# KiCad board RASRF2400WBMC.kicad_pcb (continued)
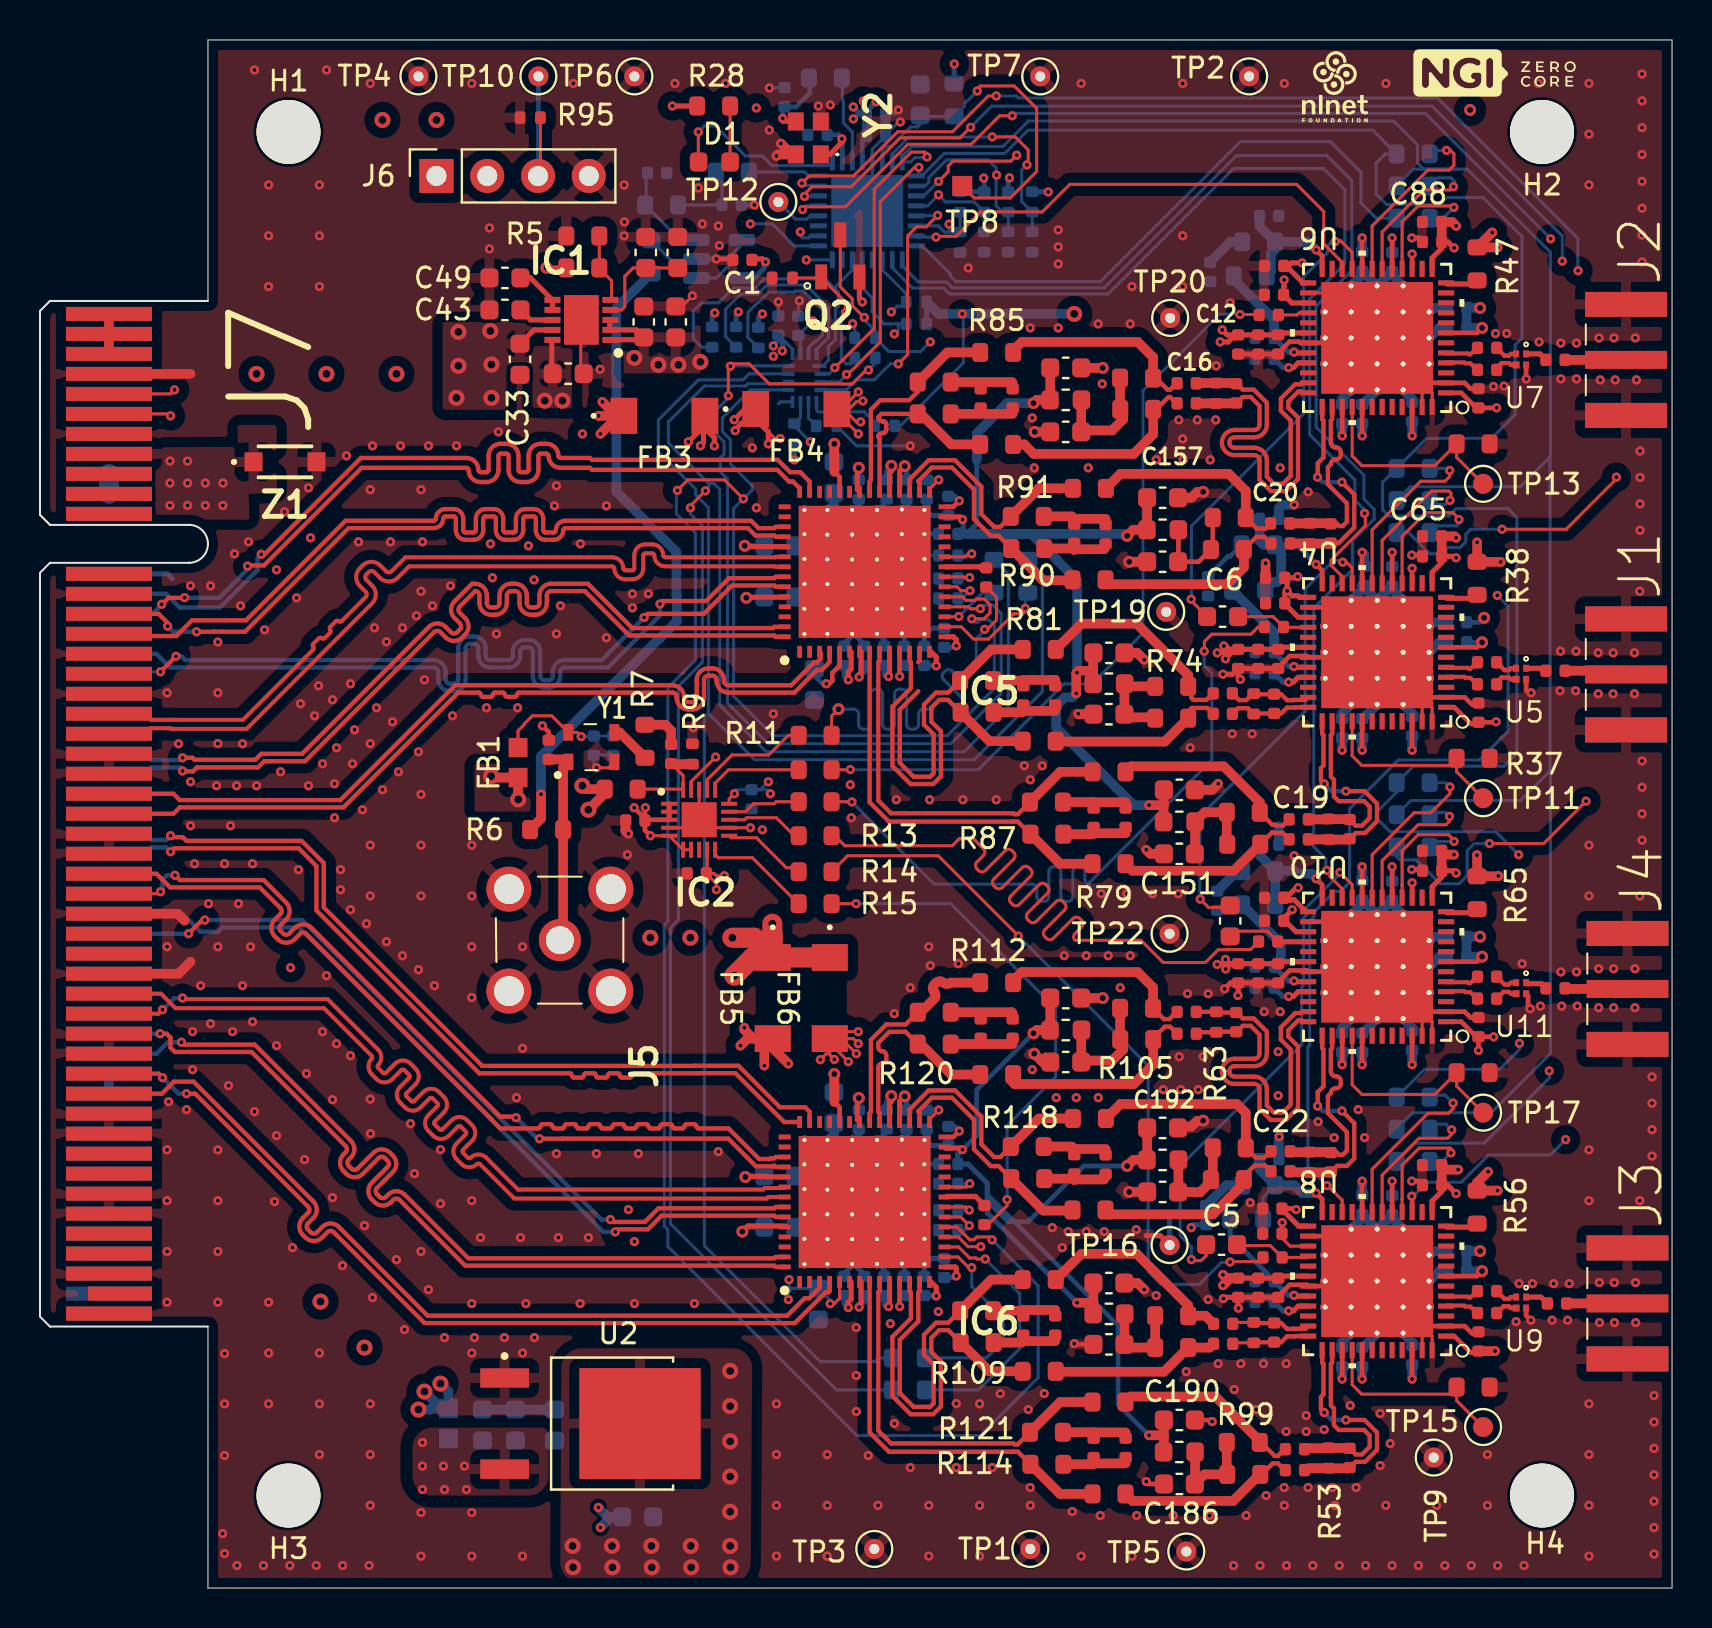
[diagram p0: board, top side]
## Routing (per net, layer and track width the routed paths; a pad name or vN(x,y) marks a point on that pad's centre or on a via; arc(x,y) is an arc through that point) (continued)
/ADC_1/VCM_ADC: length 49.9
  Top w0.254: v1(46.14,53.44) 46.01,53.58 45.32,53.58
  Top w0.483: 56.19,39.16 56.21,39.17 C155.1 ; 56.19,39.16 56.2,39.15 L1.2 ; 56.19,39.16 v1(55.47,39.16) ; 52.68,45.88 52.68,46.76 C156.1 ; 52.68,45.88 51.96,45.88 v1(51.87,45.78) 51.83,45.75 v1(51.83,44.74) ; 52.68,45.88 L2.2 ; C158.1 50.53,59.44 L4.2 49.85,59.42 v2(49.69,59.26) ; C157.1 55.38,52.94 L3.2 54.68,52.93 v2(54.38,52.62)
  Bottom w0.254: 46.85,56.42 46.85,53.22 46.36,52.72 C168.1 45.93,52.75 45.94,52.75 46.18,52.98 46.18,53.41 v1(46.14,53.44)
  Bottom w0.483: v2(49.69,59.26) 48.37,59.26 46.85,57.75 46.85,56.42 ; v1(55.47,39.16) 54.7,39.16 50.83,43.03 50.83,44.12 51.25,44.54 51.63,44.54 v1(51.83,44.74) ; 46.59,52.72 54.28,52.72 v2(54.38,52.62) ; 46.59,52.72 C168.1 ; 46.59,52.72 49.57,52.72 50.89,51.41 50.89,51.39 51.87,50.41 v1(51.87,45.78)
/ADC_2/CLKP_ADC: length 2.1
  Top w0.254: C32.2 46.79,19.59 45.35,19.59 45.32,19.56
/ADC_2/IN_A_N: length 9.1
  Top w0.216: 61.11,5.68 61.66,6.24 61.92,6.24 62.26,5.89 C27.2
  Top w0.483: 61.11,5.68 61,5.68 59.68,4.36 54.65,4.36 R106.2
/ADC_2/IN_A_P: length 9.5
  Top w0.216: C21.1 62.26,6.94 61.92,6.6 61.76,6.6 61.08,7.28
  Top w0.483: 61.08,7.28 58.79,9.58 54.57,9.58 R107.2
/ADC_2/IN_B_N: length 10.2
  Top w0.483: R108.2 52.1,16.72 54.85,16.72 57.43,14.14 R100.2 58.29,13.62 58.68,13.23
/ADC_2/IN_B_P: length 8.5
  Top w0.483: 58.68,12.21 58.5,12.03 R101.1 56.22,10.82 50.83,10.82 R109.2
/ADC_2/IN_C_N: length 9.7
  Top w0.216: C29.2 61.28,21.13 60.75,21.13 60.22,20.6 R102.2
  Top w0.483: R110.2 53.52,18.69 58.66,18.69 60.31,20.34 60.31,20.43
/ADC_2/IN_C_P: length 10.8
  Top w0.216: C22.1 61.54,21.84 61.22,21.53 60.8,21.53 R103.1
  Top w0.483: R103.1 60.31,23.77 59.87,24.21 54.04,24.21 R111.2
/ADC_2/IN_D_N: length 10.2
  Top w0.216: C18.2 56.84,28.81 56.48,28.45 56.21,28.45 R104.2
  Top w0.483: R112.2 48.68,30.38 49.1,30.81 54.91,30.81 55.67,30.04 R104.2
/ADC_2/IN_D_P: length 10.7
  Top w0.216: R105.1 55.68,27.5 56.26,28.07 56.52,28.07 C30.2
  Top w0.483: R113.2 48.68,25.28 48.75,25.21 54.71,25.21 55.68,26.18 R105.1
/ADC_2/INA_N: length 20
  Top w0.216: IC6.8 41.5,7.78 42.46,6.82 48.68,6.82 48.68,6.82 48.91,6.82 R114.2
  Top w0.483: R114.2 51.02,4.71 R106.1
/ADC_2/INA_P: length 19.3
  Top w0.216: IC6.9 42,14.86 41.93,14.79 41.93,7.87 42.57,7.23 48.68,7.23 48.73,7.19 48.91,7.19 R121.1
  Top w0.483: R107.1 51.03,9.3 R121.1
/ADC_2/INB_N: length 17.7
  Top w0.216: R115.2 45.43,13.27 44.82,13.27 44.22,12.66 44.22,11.66 44.7,11.18 44.7,9.23 44.52,9.06 43.7,9.06 43,9.75 43,12.41 43.93,13.34 43.93,14.79 44,14.86 IC6.13
  Top w0.483: R108.1 47.59,15.43 R115.2
/ADC_2/INB_P: length 18.3
  Top w0.216: IC6.12 43.5,14.86 43.56,14.79 43.56,13.49 42.64,12.56 42.64,9.6 43.54,8.69 44.68,8.69 45.06,9.08 45.06,11.33 44.58,11.81 44.58,12.51 44.97,12.9 45.43,12.9 R116.1
  Top w0.483: R109.1 47.49,10.84 R116.1
/ADC_2/INC_N: length 11.8
  Top w0.216: IC6.30 44,23.76 43.93,23.82 43.93,23.85 44.61,24.52 45.61,24.52 46.72,23.42 46.72,21.95 47.56,21.1 47.76,21.1 47.76,21.1 47.95,21.1 R117.2
  Top w0.483: R110.1 51.62,18.88 50.18,18.88 R117.2
/ADC_2/INC_P: length 12.2
  Top w0.216: IC6.31 43.5,23.93 44.45,24.89 45.77,24.89 47.08,23.57 47.08,22.2 47.72,21.56 48.03,21.56 R118.1
  Top w0.483: R118.1 49.96,23.48 51.68,23.48
/ADC_2/IND_N: length 11.4
  Top w0.216: R119.2 43.29,28.19 42.33,28.19 41.56,27.42 41.56,23.82 41.5,23.76 IC6.35
  Top w0.483: R119.2 44.05,28.8 44.72,29.47 arc(44.8,29.64) 44.72,29.82 arc(44.65,30) 44.72,30.17 44.83,30.28 arc(45.01,30.35) 45.18,30.28 arc(45.36,30.21) 45.54,30.28 R112.1
/ADC_2/IND_P: length 10.7
  Top w0.216: IC6.34 42,23.76 41.93,23.82 41.93,26.04 arc(41.99,26.18) 42.13,26.24 arc(42.27,26.3) 42.33,26.44 42.33,26.64 arc(42.27,26.78) 42.13,26.84 arc(41.99,26.9) 41.93,27.04 41.93,27.27 42.48,27.82 43.29,27.82 R120.1
  Top w0.483: R113.1 45.58,25.68 44.05,27.21 R120.1
/ADC_2/VCM_ADC: length 53.8
  Top w0.254: v1(46.14,21.92) 46.06,22.01 45.37,22.01 45.32,22.06
  Top w0.483: L6.2 52.69,13.72 52.69,14.27 ; L5.2 56.21,6.82 56.21,7.62 ; 56.21,7.62 56.19,7.64 v1(55.47,7.64) ; 56.21,7.62 C190.1 ; C193.1 50.53,27.92 L8.2 49.85,27.91 v2(49.69,27.75) ; v2(54.38,21.11) 54.68,21.41 L7.2 55.38,21.42 C192.1 ; 52.69,14.27 v1(51.87,14.27) ; 52.69,14.27 C191.1
  Bottom w0.23: v2(49.69,27.75) 46.85,24.91 46.85,22.63 v1(46.14,21.92) ; 47.38,19.67 47.38,20.25 ; 47.38,19.67 47.38,19.35 48.41,18.33 49.43,18.33 52.21,21.11 v2(54.38,21.11) ; 47.38,19.67 52.83,14.22 53.93,13.12 53.93,9.18 v1(55.47,7.64) ; 47.38,19.67 47.38,19.92
  Bottom w0.254: v1(51.87,14.27) 47.38,18.76 47.38,20.25 46.42,21.21 C203.1 45.91,21.71 45.93,21.73 45.93,21.75 46.1,21.92 v1(46.14,21.92)
/ADC_SCLK: length 87.7
  Bottom w0.152: 33.43,43.75 33.43,46.17 33.43,46.17 33.43,54.04 32.8,54.67 32.8,54.96 32.02,55.74 32.01,55.74 30.93,56.83 30.93,58.42 32.93,60.42 35.17,60.42 35.47,60.73 U3.11 ; 33.43,43.75 35.75,41.42 46.73,41.42 50.14,44.83 50.14,50.7 R96.1 ; 33.43,43.75 33.23,43.55 33.23,17.12 39.03,11.33 41.77,11.33 41.95,11.51 R123.1
/ADC_SDI: length 99.1
  Top w0.152: v1(33.28,54.88) 32.53,54.12 v1(32.53,54.03)
  Bottom w0.152: v1(32.53,54.03) 32.53,53.72 33.13,53.12 33.13,46.3 31.93,45.1 31.93,33.42 31.53,33.03 31.53,18.22 39.85,9.91 R124.1 ; v1(33.28,54.88) 33.45,55.05 33.45,55.25 ; U3.10 37.35,60.23 36.93,60.23 36.93,60.23 35.4,60.23 35.29,60.12 33.23,60.12 31.43,58.33 31.43,57.27 33.45,55.25 ; 33.45,55.25 33.71,55.25 34,54.95 34,44.16 36.33,41.83 46.22,41.83 48.42,44.03 48.42,44.65 48.43,44.67 48.43,50.72 R97.1
/ADC_SDO: length 119.4
  Top w0.152: v1(31.88,54.9) 32.41,55.42 34.23,55.42 v1(35.18,54.47) ; v1(47.62,17.41) 47.48,17.56 46.85,17.56 46.71,17.41 46.51,17.41 46.06,17.86 46.06,17.86 45.86,18.06 IC6.19 ; IC5.19 45.94,49.57 46.14,49.57 46.31,49.4 46.76,49.4 46.83,49.47 47.23,49.47 47.52,49.18 47.52,48.77 47.22,48.47 46.73,48.47 46.73,48.48 v1(46.61,48.48) 46.64,48.45 46.64,48.36 46.65,48.36 46.68,48.36
  Bottom w0.152: v1(31.88,54.9) 31.83,54.85 31.83,53.72 32.78,52.78 32.78,46.4 31.41,45.03 31.41,33.33 31.23,33.15 31.23,18.1 31.41,17.92 31.41,17.08 40.86,7.62 47.03,7.62 49.93,10.53 49.93,15.1 v1(47.62,17.41) ; U3.9 35.53,59.92 34.13,58.53 34.13,57.84 34.53,57.44 34.53,56.83 34.53,56.82 34.53,56.22 35.63,55.12 35.63,54.92 v1(35.18,54.47) 34.69,53.99 34.69,44.6 36.67,42.62 45.38,42.62 47.73,44.97 47.73,47.72 47.73,47.72 47.73,47.75 47.73,47.75 47.73,48.15 47.45,48.43 47.05,48.43 46.91,48.3 46.8,48.3 46.63,48.48 v1(46.61,48.48)
/ANT1: length 3.1
  Top w0.483: 79.33,45.88 76.28,45.88 C7.1
/ANT2: length 3
  Top w0.483: J2.1 C8.1
/ANT3: length 3.1
  Top w0.483: C9.1 76.36,14.23 J3.1
/ANT4: length 3.1
  Top w0.483: C10.1 76.31,29.96 J4.1
/MAX1_CLK: length 38.7
  Top w0.152: v1(58.23,46.86) 58.24,46.84 58.24,47.33 58.61,47.7 60.57,47.7 60.93,48.06 C14.1 ; R12.2 40.38,39.33 40.39,39.31 v1(40.61,39.31)
  Bottom w0.152: v1(40.61,39.31) 44.72,35.2 49.62,35.2 arc(49.79,35.13) 49.86,34.97 49.86,34.58 arc(49.93,34.41) 50.1,34.34 50.22,34.34 arc(50.39,34.41) 50.46,34.58 50.46,35.83 arc(50.53,36) 50.7,36.07 50.82,36.07 arc(50.99,36) 51.06,35.83 51.06,34.58 arc(51.13,34.41) 51.3,34.34 51.42,34.34 arc(51.59,34.41) 51.66,34.58 51.66,35.83 arc(51.73,36) 51.9,36.07 52.02,36.07 arc(52.19,36) 52.26,35.83 52.26,35.44 arc(52.33,35.28) 52.5,35.2 52.5,35.3 58.61,41.41 58.61,45.77 58.23,46.14 v1(58.23,46.86)
/MAX1_CS: length 57.3
  Top w0.152: v1(49.37,71.18) 49.43,71.24 49.43,71.92 48.78,72.58 v1(47.63,72.58)
  Top w0.23: U4.15 v1(68.63,51)
  In3.Cu w0.152: v1(68.63,51) 71.1,51 71.4,51.29 71.4,52.51 71.91,53.02 71.91,59.8 71.18,60.53 71.18,66.78 71.44,67.03 71.44,69.06 70.9,69.6 70.5,69.6 69.02,71.08 50.46,71.08 50.45,71.09 49.4,71.09 49.37,71.13 v1(49.37,71.18)
  Bottom w0.152: v1(47.63,72.58) 47.63,72.58 43.48,72.58 42.63,71.73 IC3.7 ; v1(49.37,71.18) 49.1,70.91 49.1,70.34 49.1,70.34 49.1,69.34 R27.1 49.63,67.84 R21.2
/MAX1_LD: length 49.1
  Top w0.152: v1(66.25,53.75) 66.25,53.67 66.29,53.63 66.29,53.12 64.58,51.41 64.58,51.14 65.13,50.59 U4.22
  Bottom w0.152: v1(66.25,53.75) 66.25,53.92 65.77,54.4 65.77,55.42 63.51,57.69 63.51,58.6 63.51,64.47 63.56,64.52 63.56,64.52 65.27,66.23 65.27,67.17 65.27,67.17 65.27,69.93 64.22,70.97 64.2,70.97 64.19,70.98 59.69,70.98 53.43,64.72 45.5,64.72 45.21,65.02 44.18,65.02 44.17,65.02 43.63,65.02 42.63,66.03 IC3.18
/MAX1_RSSI: length 70.9
  Top w0.152: v1(73.13,52.95) 76.34,52.95 76.87,53.48 76.87,53.5 78.84,55.47 v1(78.84,55.56) ; v1(47.83,74.62) 47.43,74.62 46.63,73.83 46.63,73.83 46.35,73.55 46.35,73.54 45.64,72.83 42.9,72.83 40.69,70.62 38.47,70.62 v1(38.11,70.27)
  In3.Cu w0.152: v1(76.93,65.89) 77.03,65.89 79.28,63.64 79.28,56 v1(78.84,55.56)
  Bottom w0.152: v1(76.93,65.89) 76.92,65.89 76.92,67.5 76.22,68.2 76.22,68.2 69.9,74.53 48.93,74.53 48.83,74.62 v1(47.83,74.62) ; IC3.31 38.91,70.14 38.2,70.14 38.11,70.24 v1(38.11,70.27) ; R39.1 68.45,52.79 69.51,51.72 70.12,51.72 70.44,52.04 70.63,52.04 70.63,52.04 71.03,52.04 71.31,52.32 71.31,52.71 71.56,52.95 v1(73.13,52.95)
/MAX2_CLK: length 37.9
  Top w0.152: v1(60.02,63.69) 60.96,63.69 C12.1 ; v1(40.53,40.94) 40.52,40.92 R10.2
  Bottom w0.152: v1(40.53,40.94) 40.54,40.92 46.93,40.92 51.23,45.22 52.63,45.22 55.17,47.77 55.17,59.88 59.01,63.72 60,63.72 v1(60.02,63.69)
/MAX2_CS: length 34
  Top w0.23: U6.15 v1(68.63,66.72)
  In3.Cu w0.152: v1(68.63,66.72) 69.13,67.22 69.13,68.98 67.48,70.62 49.23,70.62 48.84,71.02 48.2,71.02 v1(47.85,70.67)
  Bottom w0.152: 47.82,70.69 47.82,69.14 48.14,68.82 R26.1 48.43,67.84 R20.2 ; 47.82,70.69 v1(47.85,70.67) ; 47.82,70.69 47.82,71.03 47.43,71.42 45.34,71.42 44.75,70.83 44.74,70.83 44.46,70.55 44.46,70.31 44.27,70.12 IC3.10
/MAX2_LD: length 25.3
  Top w0.152: U6.22 65.13,66.31 64.21,67.23 64.21,68.84 62.85,70.2 51.51,70.2 50.13,68.83 47.04,68.83 45.82,67.61 44.82,67.61 44.82,67.6 v1(44.82,67.56)
  Bottom w0.152: v1(44.82,67.56) 43.89,67.56 IC3.15
/MAX2_RSSI: length 30.2
  Bottom w0.152: R48.1 66.83,68.52 66.07,69.28 66.07,70.81 64.54,72.34 60.05,72.34 53.04,65.33 45.82,65.33 45.53,65.62 45.53,65.72 44.13,67.12 IC3.16
/MAX3_CLK: length 37.4
  Top w0.152: R14.2 40.4,36.62 44.93,36.62 48.87,32.69 48.87,32.68 v1(48.94,32.61) ; C11.1 60.96,16.33 59.55,16.33 v1(59.52,16.3)
  Bottom w0.152: v1(59.52,16.3) 59.31,16.3 59.28,16.28 59.08,16.28 57.99,15.19 56.07,15.19 55.43,15.83 55.43,26.11 v1(48.94,32.61)
/MAX3_CS: length 98.2
  Top w0.23: v1(68.61,19.6) 68.61,19.57 68.63,19.55 U8.15
  In3.Cu w0.152: 76.31,22.44 80.68,26.81 80.68,63.05 70.9,72.83 48.73,72.83 47.75,71.85 47.25,71.85 45.09,69.68 v1(44.94,69.68)
  In3.Cu w0.23: v1(76.31,22.42) 76.31,22.44
  Bottom w0.152: v1(68.61,19.6) 68.68,19.6 69.38,20.3 71.1,20.3 72.46,21.66 75.54,21.66 v1(76.31,22.42) ; R19.2 47.22,68.81 R24.1 46.72,69.33 45.3,69.33 v1(44.94,69.68) 44.39,69.12 IC3.12
/MAX3_LD: length 89.2
  Top w0.152: U8.22 65.13,19.4 64.47,20.06 64.26,20.06 64.3,20.06 v1(64.37,20.13) ; v1(48.85,71.66) 48.55,71.36 45.67,71.36 45.43,71.12 45.43,70.83 44.94,70.35 v1(44.94,70.35)
  In3.Cu w0.152: v1(48.85,71.66) 48.85,71.66 49.8,71.66 69.81,71.67 71.73,69.74 71.73,66.93 71.48,66.68 71.48,64.26 71.47,64.25 71.47,63.8 71.48,63.79 71.48,60.62 72.37,59.73 72.37,50.16 v1(72.89,49.64)
  Bottom w0.152: IC3.11 44.2,69.62 44.93,70.35 v1(44.94,70.35) ; v1(72.89,49.64) 73.43,49.11 73.43,42.86 71.99,41.41 67.94,41.41 65.5,38.98 65.5,35.29 65.05,34.83 64.75,34.83 63.72,33.8 63.72,33.58 63.51,33.38 63.51,27.15 63.42,27.06 63.42,21.08 v1(64.37,20.13)
/MAX3_RSSI: length 94.4
  Top w0.152: v1(38.14,68.95) 38.14,68.95 38.14,68.95 38.14,69.08 40.29,69.08 43.41,72.2 46.57,72.2 47.42,73.06 47.73,73.36 48,73.63 v1(48.63,73.63)
  In3.Cu w0.152: v1(75.49,25.86) 75.53,25.91 75.53,28.9 75.53,28.9 75.53,29.31 75.53,29.31 75.53,66.72 75.62,66.8 75.62,67.42 v1(75.56,67.48)
  Bottom w0.152: v1(38.14,68.95) 38.15,68.95 38.33,69.12 IC3.29 ; v1(75.49,25.86) 75.5,25.86 75.5,25.52 72.24,22.25 68.77,22.25 R57.1 ; v1(48.63,73.63) 48.75,73.75 69.3,73.75 75.49,67.56 75.49,67.55 v1(75.56,67.48)
/MAX4_CLK: length 41.3
  Top w0.152: 39.56,37.62 39.75,37.62 40.25,37.12 45.63,37.12 45.98,37.47 46.69,37.47 47.19,36.98 arc(47.26,36.81) 47.19,36.64 46.86,36.31 arc(46.79,36.14) 46.86,35.97 46.95,35.89 arc(47.12,35.82) 47.29,35.89 48.28,36.88 arc(48.45,36.95) 48.62,36.88 48.7,36.79 arc(48.77,36.62) 48.7,36.45 47.71,35.46 arc(47.64,35.29) 47.71,35.12 47.8,35.04 arc(47.97,34.97) 48.14,35.04 49.13,36.03 arc(49.3,36.1) 49.47,36.03 49.55,35.94 arc(49.62,35.78) 49.55,35.61 48.56,34.62 arc(48.49,34.45) 48.56,34.28 48.64,34.19 arc(48.81,34.12) 48.98,34.19 49.97,35.18 arc(50.14,35.25) 50.31,35.18 50.4,35.1 arc(50.47,34.93) 50.4,34.76 49.41,33.77 arc(49.34,33.6) 49.41,33.43 49.49,33.34 arc(49.66,33.27) 49.83,33.34 50.82,34.33 arc(50.99,34.4) 51.16,34.33 51.25,34.25 arc(51.32,34.08) 51.25,33.91 50.26,32.92 arc(50.19,32.75) 50.26,32.58 50.34,32.49 arc(50.51,32.42) 50.68,32.49 51.67,33.48 arc(51.84,33.55) 52.01,33.48 52.1,33.4 arc(52.17,33.23) 52.1,33.06 51.77,32.73 arc(51.7,32.56) 51.77,32.39 55.07,32.39 56.18,31.28 58.29,31.28 58.93,31.92 59.38,31.92 59.39,31.93 60.55,31.93 C13.1
/MAX4_CS: length 75.2
  Top w0.23: U10.15 v1(68.63,35.27)
  In3.Cu w0.152: 73.85,62.53 73.85,69.34 70.67,72.53 49.03,72.53 48.35,71.85 48.35,71.85 48.07,71.57 47.37,71.57 45.47,69.67 v1(45.47,68.22) ; 73.83,62.47 73.83,37.51 71.59,35.27 v1(68.63,35.27)
  Bottom w0.152: v1(45.47,68.22) 45.47,67.91 45.57,67.81 R18.2 ; IC3.14 44.94,68.12 45.25,67.81 R18.2 ; R23.1 R18.2
/MAX4_LD: length 66.2
  Top w0.152: U10.22 65.13,34.97 64.53,35.57 64.53,35.74 64.38,35.89 v1(64.37,35.89)
  Bottom w0.152: IC3.17 43.1,66.39 43.1,66.16 43.93,65.33 44.3,65.33 44.3,65.32 45.33,65.32 45.63,65.03 53.23,65.03 59.85,71.64 64.36,71.64 65.61,70.39 65.61,65.9 63.82,64.11 63.82,60.77 63.83,60.77 63.83,58.06 66.22,55.67 66.22,54.47 66.73,53.95 66.73,53.47 66.45,53.19 65.65,52.38 65.65,50.94 65.65,50.94 63.71,49 63.71,37.08 64.31,36.47 64.31,35.94 v1(64.37,35.89)
/MAX4_RSSI: length 85.1
  Top w0.152: v1(46.55,73.06) 46.54,73.06 46.01,72.53 43.25,72.53 43.25,72.53 43.02,72.53 40.59,70.09 38.59,70.09 38.59,70.06 38.31,69.78 38.31,69.67 v1(38.24,69.6) ; v1(77.33,39.36) 75.21,37.23 v1(72.5,37.23)
  In3.Cu w0.152: v1(77.33,39.36) 77.44,39.47 77.44,63.8 76.17,65.06 76.17,66.33 v1(76.14,66.36)
  Bottom w0.152: v1(72.5,37.23) 71.74,37.23 71.38,36.88 71.38,35.63 70.98,35.22 70.03,35.22 69.13,36.12 69.11,36.12 68.81,36.42 68.03,36.42 67.86,36.59 R66.1 ; v1(46.55,73.06) 46.97,73.48 46.97,73.48 47.6,74.12 69.64,74.12 75.69,68.06 75.7,68.06 76.14,67.62 v1(76.14,66.36) ; IC3.30 38.91,69.61 38.24,69.61 v1(38.24,69.6)
/PWR&CLK/CLK_REF: length 4.9
  Top w0.152: C44.1 32.17,40.64 IC2.20 32.14,39.95 29.9,39.95
  Top w0.483: R9.2 31.6,41.2 C44.1
/PWR&CLK/OSC_VC: length 32.9
  Top w0.483: v1(25.06,39.7) 25.06,38.48 R6.2
  Bottom w0.483: R1.1 28.83,64.01 28.83,61.53 28.82,61.52 28.82,60.85 28.83,60.84 28.83,54.83 31.83,51.83 31.83,49.69 31.85,49.67 31.85,48.35 30.97,47.46 30.94,47.46 28.83,45.35 28.82,45.35 25.06,41.59 v1(25.06,39.7)
/RF-TRANS_1/CPOUT: length 8.6
  Top w0.23: v1(63.83,51.2) 64.13,50.9 U4.24
  Bottom w0.23: v1(63.83,51.2) 62.85,52.17 R43.2
  Bottom w0.483: C80.2 61,52.38 61.21,52.17 R43.2 ; R43.2 62.08,51.85 62.08,50.49 61.91,50.33 61.71,50.33 R42.1 ; R43.2 61.92,52.01
/RF-TRANS_1/MAX_CLKOUT: length 23.6
  Top w0.152: v1(58.03,34.45) 58.45,34.03 59.43,34.03 C4.1 ; U4.21 65.63,51.02 65.31,51.35 65.2,51.35 v1(65.16,51.31)
  Bottom w0.152: v1(58.03,34.45) 58.01,34.47 58.01,38.58 58.23,38.81 ; 58.23,38.81 63.28,43.86 63.28,49.96 64.72,51.41 65.08,51.41 65.13,51.35 65.13,51.34 v1(65.16,51.31) ; 58.23,38.81 58.05,38.62
/RF-TRANS_1/MAX_RXRF_N: length 1.7
  Top w0.2: C77.2 71.87,46.3 71.55,45.97 71.46,45.97 71.41,46.02 70.36,46.02 U4.5
/RF-TRANS_1/MAX_RXRF_P: length 1.7
  Top w0.2: C78.2 71.87,45.2 71.55,45.52 71.29,45.52 71.24,45.57 70.36,45.57 U4.4
/RF-TRANS_1/RFRX: length 1.1
  Top w0.254: 75.05,46 U5.1 ; 75.32,45.7 75.05,45.97
/RF-TRANS_1/RXBBI_N: length 11
  Top w0.216: 65.48,37.46 65.51,37.46 65.81,37.76 66.28,37.76 66.87,38.36 66.87,39.23 66.25,39.86 v1(65.32,39.86) ; v1(64.23,40.22) 64.07,40.39 64.07,41.01 64.2,41.13 64.2,42.66 64.13,42.73 U4.37
  Top w0.483: C23.1 64.43,37.44 64.44,37.44 65.45,37.44 65.48,37.46
  Bottom w0.216: v1(64.23,40.22) 64.6,39.86 v1(65.32,39.86)
/RF-TRANS_1/RXBBI_P: length 9.8
  Top w0.216: U4.38 64.63,42.73 64.57,42.66 64.57,40.98 64.57,40.98 64.57,40.58 64.72,40.43 64.72,40.02 64.72,40.02 64.72,39.59 64.96,39.36 66.23,39.36 66.51,39.08 66.51,38.51 66.12,38.13 65.81,38.13 65.51,38.42 65.48,38.42
  Top w0.483: 65.48,38.42 65.45,38.45 64.44,38.45 64.43,38.45 C19.2
/RF-TRANS_1/RXBBQ_N: length 4.3
  Top w0.216: R36.2 60.66,44.73 60.33,44.41 59.98,44.41 C15.1 ; 60.65,44.7 62.08,44.7 62.38,44.41 62.65,44.41 62.66,44.42 63.3,44.42 U4.35
/RF-TRANS_1/RXBBQ_P: length 4.2
  Top w0.216: C24.1 59.92,44 60.42,44 R36.1 ; U4.36 62.8,44.05 62.79,44.04 62.38,44.04 62.08,43.74 60.65,43.74
/RF-TRANS_1/RXRF_N: length 1.2
  Top w0.216: U5.2 73.57,46 73.48,45.91 73.25,45.91 C77.1
/RF-TRANS_1/RXRF_P: length 1.1
  Top w0.216: 73.2,45.54 73.48,45.54 73.57,45.45 U5.3 ; 72.86,45.3 73.1,45.54 73.2,45.54
/RF-TRANS_1/XTAL_MAX: length 3.7
  Top w0.152: U4.28 62.22,48.05 C14.2 61.68,48.58 C6.2
/RF-TRANS_2/CPOUT: length 6.8
  Top w0.23: U6.24 64.13,66.62 v1(63.83,66.92)
  Bottom w0.483: v1(63.83,66.92) 63.43,67.32 R52.2 ; C103.2 61,68.1 R52.2 ; R52.2 61.78,66.96 61.56,66.74 61.56,65.85 61.46,65.74 61.46,65.72 R51.1
/RF-TRANS_2/MAX_CLKOUT: length 24.1
  Top w0.152: v1(57.58,49.45) 57.58,49.38 C6.1 ; v1(64.78,67.34) 64.78,67.38 64.8,67.39 65.04,67.39 65.63,66.8 U6.21
  Bottom w0.152: v1(57.58,49.45) 57.59,49.47 57.59,53.11 63.21,58.73 63.21,64.6 63.2,64.61 63.2,65.58 64.4,66.78 64.4,67.11 64.57,67.28 64.69,67.28 64.75,67.34 v1(64.78,67.34)
/RF-TRANS_2/MAX_RXRF_N: length 1.7
  Top w0.2: U6.5 70.36,61.75 71.41,61.75 71.46,61.7 71.55,61.7 71.87,62.02 C100.2
/RF-TRANS_2/MAX_RXRF_P: length 1.7
  Top w0.2: C101.2 71.87,60.92 71.55,61.25 71.29,61.25 71.24,61.3 70.36,61.3 U6.4
/RF-TRANS_2/RFRX: length 1.1
  Top w0.254: C8.2 75.05,61.7 ; 75.05,61.72 U7.1
/RF-TRANS_2/RXBBI_N: length 11.1
  Top w0.216: C94.2 64.96,52.27 65.73,53.04 65.73,54.7 v1(65.12,55.31) ; U6.37 64.13,58.45 64.2,58.39 64.2,56.54 63.91,56.26 63.91,55.56 v1(63.9,55.56)
  Top w0.483: C94.2 64.53,52.24 R44.2 63.51,52.25 C25.1
  Bottom w0.216: v1(63.9,55.56) 64.15,55.31 65.12,55.31 v1(65.12,55.31)
/RF-TRANS_2/RXBBI_P: length 9.8
  Top w0.216: 63.51,53.25 R44.1 ; U6.38 64.63,58.45 64.57,58.39 64.57,57.28 arc(64.64,57.11) 64.81,57.04 64.83,57.04 arc(65,56.97) 65.07,56.8 65.07,56.68 arc(65,56.51) 64.83,56.44 64.81,56.44 arc(64.64,56.37) 64.57,56.2 64.42,56.06 64.42,55.2 65.37,54.26 65.37,53.32 65.16,53.11 64.98,53.11 64.87,53.22 C94.1 64.53,53.25
  Top w0.483: C20.2 63.51,53.25 ; R44.1 64.53,53.25
/RF-TRANS_2/RXBBQ_N: length 17.9
  Top w0.216: 57.85,60.27 C16.1 ; U6.35 63.15,60.27 63.09,60.21 62.78,60.21 62.07,59.49 62.07,58.88 62.56,58.39 62.56,55.62 62.16,55.23 61.72,55.23 61.36,55.58 61.36,56.4 arc(61.18,56.85) 60.74,57.03 59.75,57.03 arc(59.56,57.11) 59.48,57.29 arc(59.56,57.48) 59.75,57.55 60.74,57.55 arc(61.18,57.74) 61.36,58.18 61.36,59.28 60.71,59.94 60.16,59.94 59.86,60.23 C95.2
  Top w0.483: C95.2 59.8,60.27 R45.2 57.85,60.27
/RF-TRANS_2/RXBBQ_P: length 17.9
  Top w0.216: U6.36 63.15,59.77 63.09,59.84 62.94,59.84 62.43,59.34 62.43,59.03 62.92,58.54 62.92,55.47 62.32,54.86 61.56,54.86 61,55.43 61,56.4 arc(60.92,56.59) 60.74,56.66 59.75,56.66 arc(59.3,56.85) 59.12,57.29 arc(59.3,57.74) 59.75,57.92 60.74,57.92 arc(60.92,58) 61,58.18 61,59.13 60.56,59.57 60.16,59.57 59.86,59.27 C95.1 ; 57.84,59.25 C26.1
  Top w0.483: 57.84,59.25 R45.1 59.8,59.25 C95.1
/RF-TRANS_2/RXRF_N: length 1.2
  Top w0.216: C100.1 73.25,61.63 73.48,61.63 73.57,61.72 U7.2
/RF-TRANS_2/RXRF_P: length 1.1
  Top w0.216: 72.86,61.02 73.1,61.27 73.48,61.27 73.57,61.17 U7.3
/RF-TRANS_2/XTAL_MAX: length 1.5
  Top w0.152: U6.28 62.98,63.77 62.88,63.67 C12.2
/RF-TRANS_3/CPOUT: length 6.3
  Top w0.23: U8.24 64.13,19.45 v1(63.83,19.75)
  Bottom w0.152: R61.2 61.18,19.55 R60.1
  Bottom w0.483: v1(63.83,19.75) 63.13,19.75 62.73,20.15 R61.2 61,20.93
/RF-TRANS_3/MAX_RXRF_N: length 1.7
  Top w0.2: C123.2 71.87,14.85 71.55,14.52 71.46,14.52 71.41,14.57 70.36,14.57 U8.5
/RF-TRANS_3/MAX_RXRF_P: length 1.7
  Top w0.2: U8.4 70.36,14.12 71.24,14.12 71.29,14.07 71.55,14.07 71.87,13.75 C124.2
/RF-TRANS_3/RFRX: length 1.2
  Top w0.254: U9.1 75.08,14.55 C9.2
/RF-TRANS_3/RXBBI_N: length 11
  Top w0.216: v1(64.23,8.77) 64.07,8.93 64.07,9.56 64.2,9.68 64.2,11.21 64.13,11.28 U8.37 ; v1(65.32,8.4) 66.25,8.4 66.87,7.78 66.87,6.91 66.28,6.31 65.81,6.31 65.51,6.01 65.48,6.01
  Top w0.483: 63.44,5.99 64.43,5.99 64.44,5.98 65.45,5.98 65.48,6.01
  Bottom w0.216: v1(65.32,8.4) 64.6,8.4 v1(64.23,8.77)
/RF-TRANS_3/RXBBI_P: length 9.8
  Top w0.216: U8.38 64.63,11.28 64.57,11.21 64.57,9.53 64.57,9.53 64.57,9.13 64.72,8.98 64.72,8.57 64.72,8.57 64.72,8.14 64.96,7.9 66.23,7.9 66.51,7.63 66.51,7.06 66.12,6.68 65.81,6.68 65.51,6.97 65.48,6.97
  Top w0.483: 63.44,7 64.43,7 64.44,7 65.45,7 65.48,6.97
/RF-TRANS_3/RXBBQ_N: length 4
  Top w0.152: C17.1 59.73,13.28 R54.2
  Top w0.216: 60.65,13.25 62.08,13.25 62.38,12.96 62.65,12.96 62.66,12.97 63.3,12.97 U8.35
/RF-TRANS_3/RXBBQ_P: length 4
  Top w0.152: R54.1 59.71,12.26 C28.1
  Top w0.216: U8.36 62.8,12.6 62.79,12.59 62.38,12.59 62.08,12.29 60.65,12.29
/RF-TRANS_3/RXRF_N: length 1.2
  Top w0.216: C123.1 73.25,14.46 73.48,14.46 73.57,14.55 U9.2
/RF-TRANS_3/RXRF_P: length 1.1
  Top w0.216: C124.1 73.2,14.09 73.48,14.09 73.57,14 U9.3
/RF-TRANS_3/XTAL_MAX: length 3.8
  Top w0.152: C5.2 59.93,17.12 61.54,17.12 C11.2 63.36,16.53 U8.28
/RF-TRANS_4/CPOUT: length 6.6
  Top w0.23: U10.24 64.13,35.17 v1(63.83,35.47)
  Bottom w0.483: v1(63.83,35.47) 63.83,35.52 63.63,35.72 62.88,35.72 62.73,35.87 R70.2 ; R70.2 R69.1 ; R70.2 61,36.65 C149.2